# Altium PCB PLCC-RP2350B.PcbDoc
Units mm, origin at the board's own origin, x right, y up, seen from the top; angles counter-clockwise.
Board outline 27.94 x 27.94 mm, 4 copper layers (Top Layer, Layer 1, Layer 2, Bottom Layer), stack 0.603 mm thick; 58 components, 74 nets, 288 pads, 93 vias.
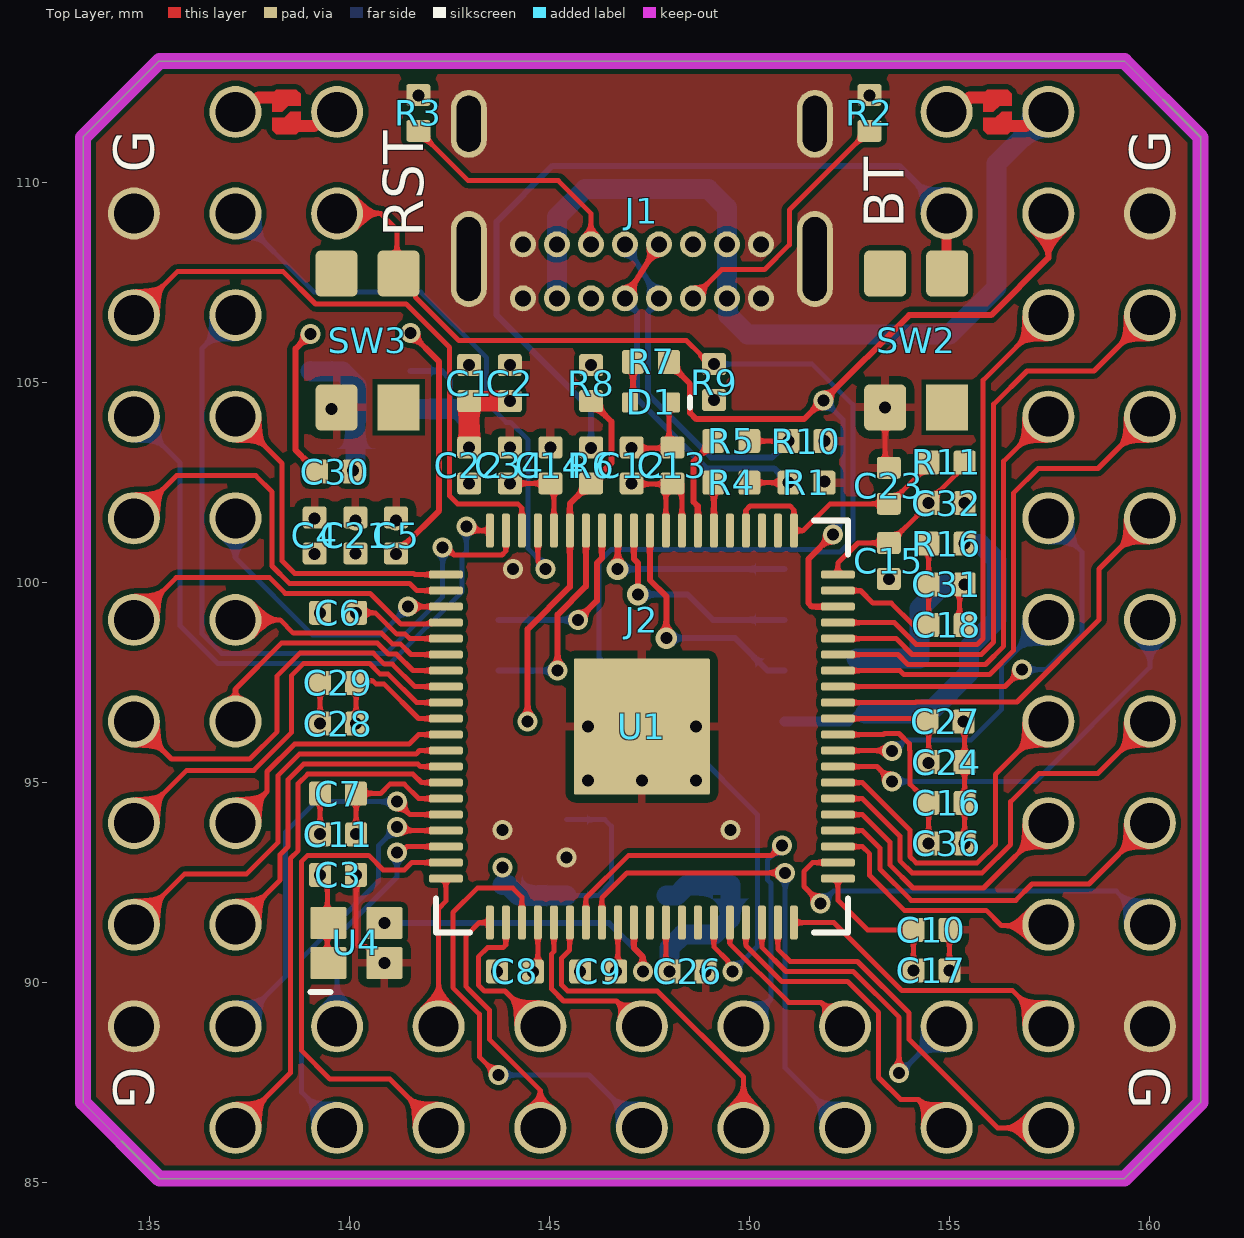
[diagram p0: Top Layer view]
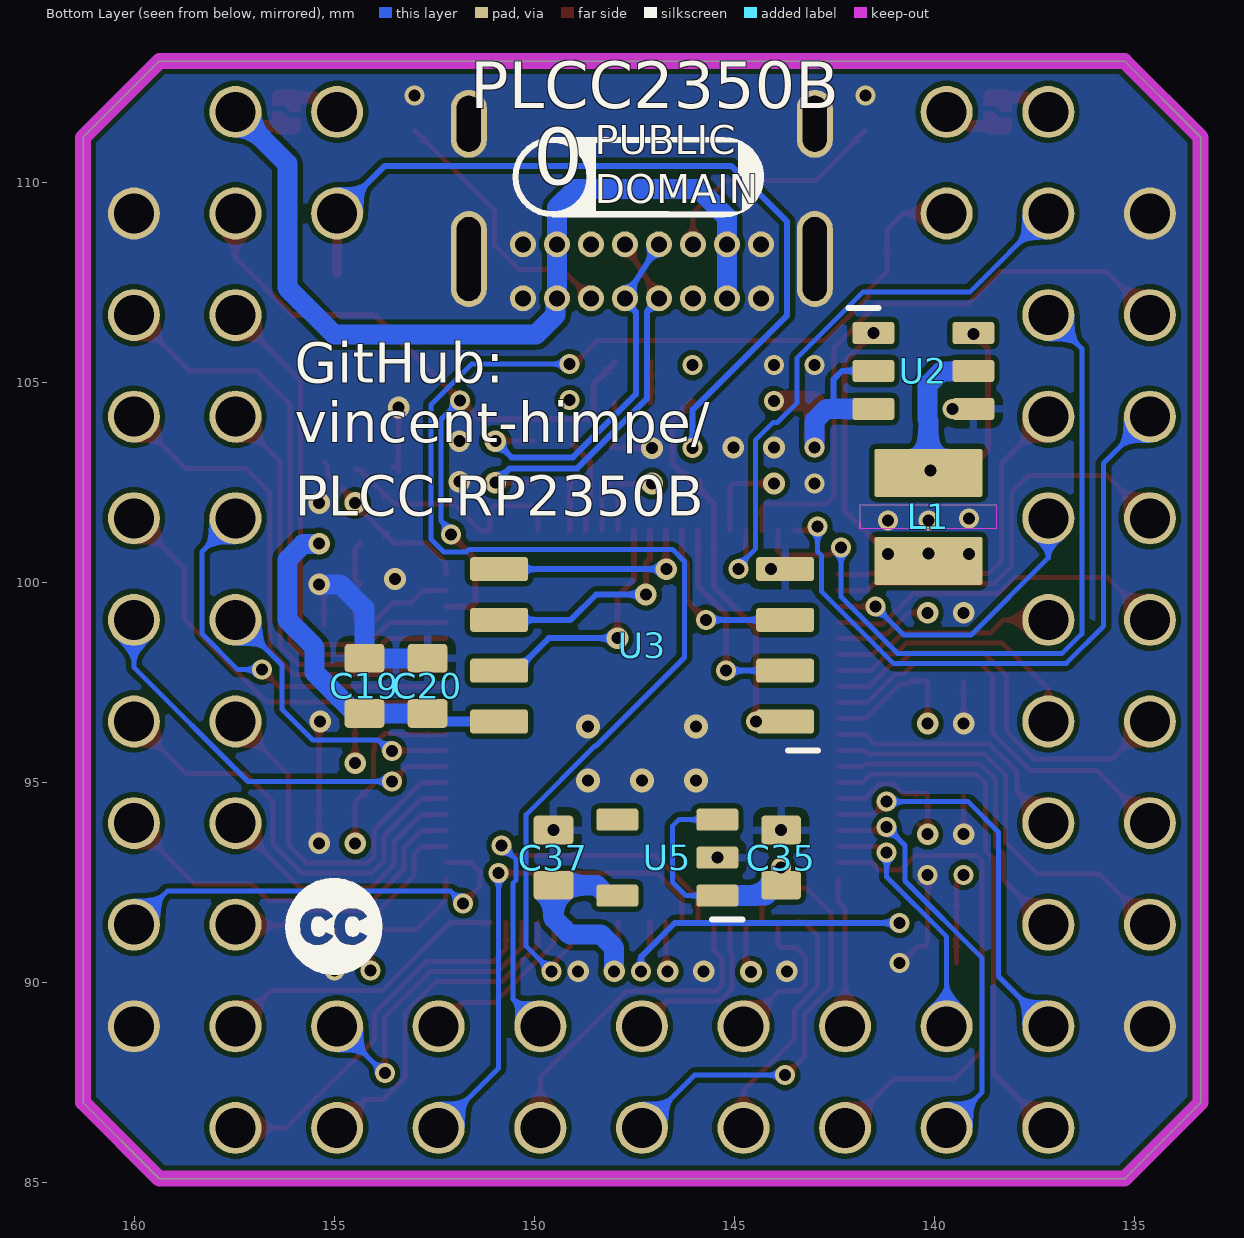
[diagram p1: Bottom Layer view, seen from below]
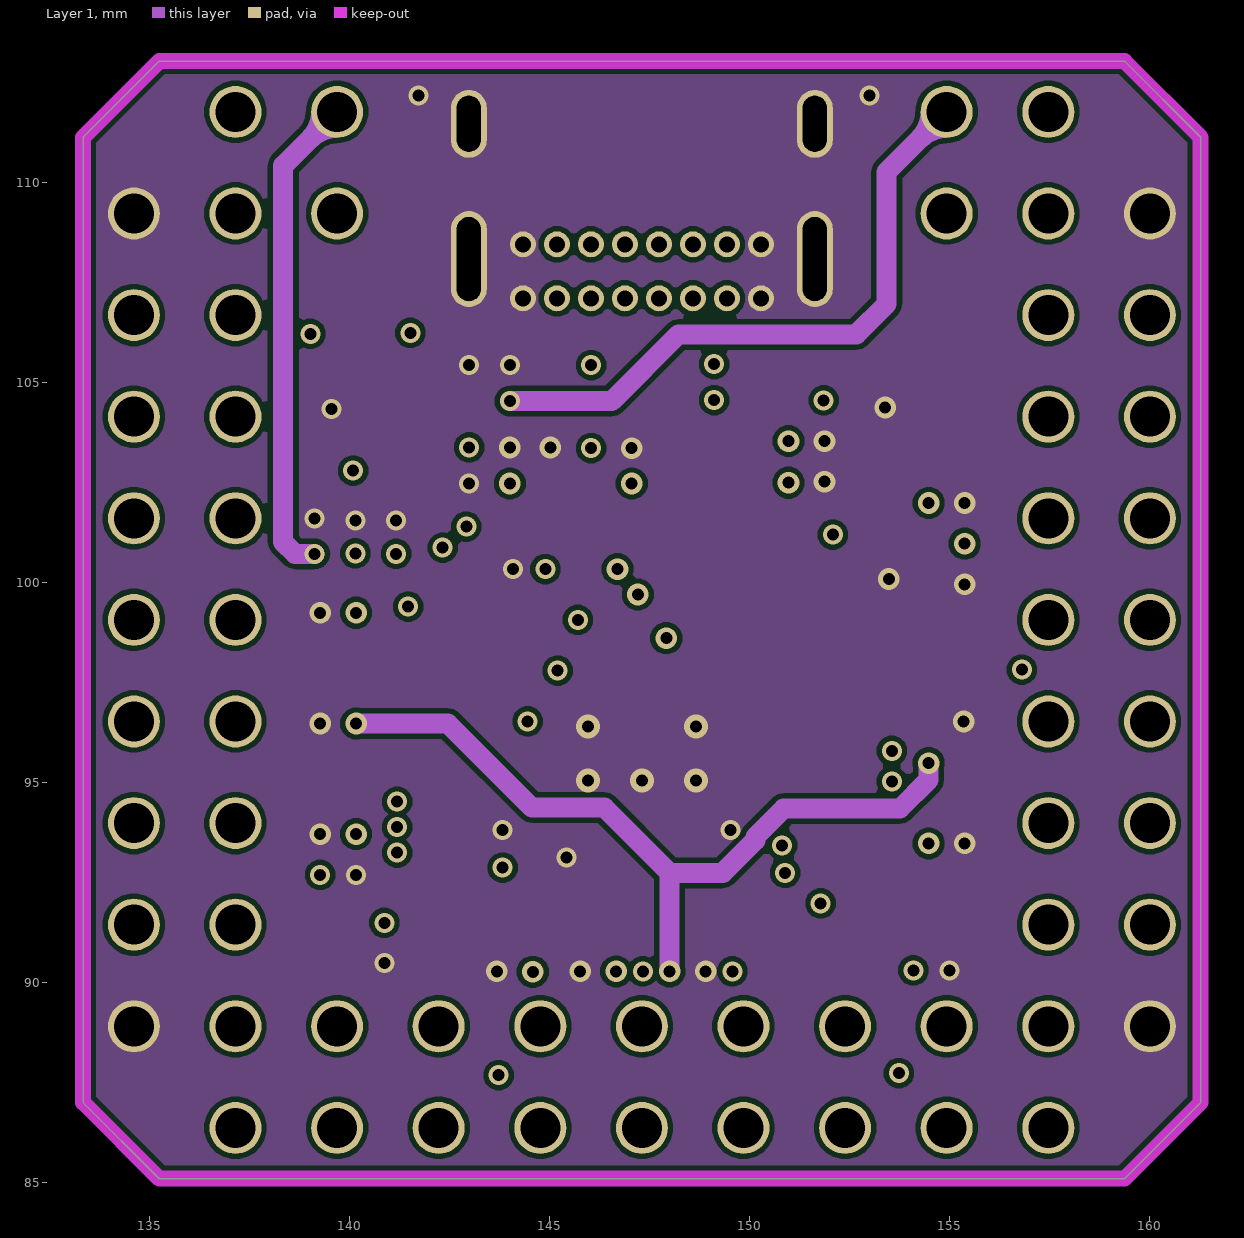
[diagram p2: Layer 1]
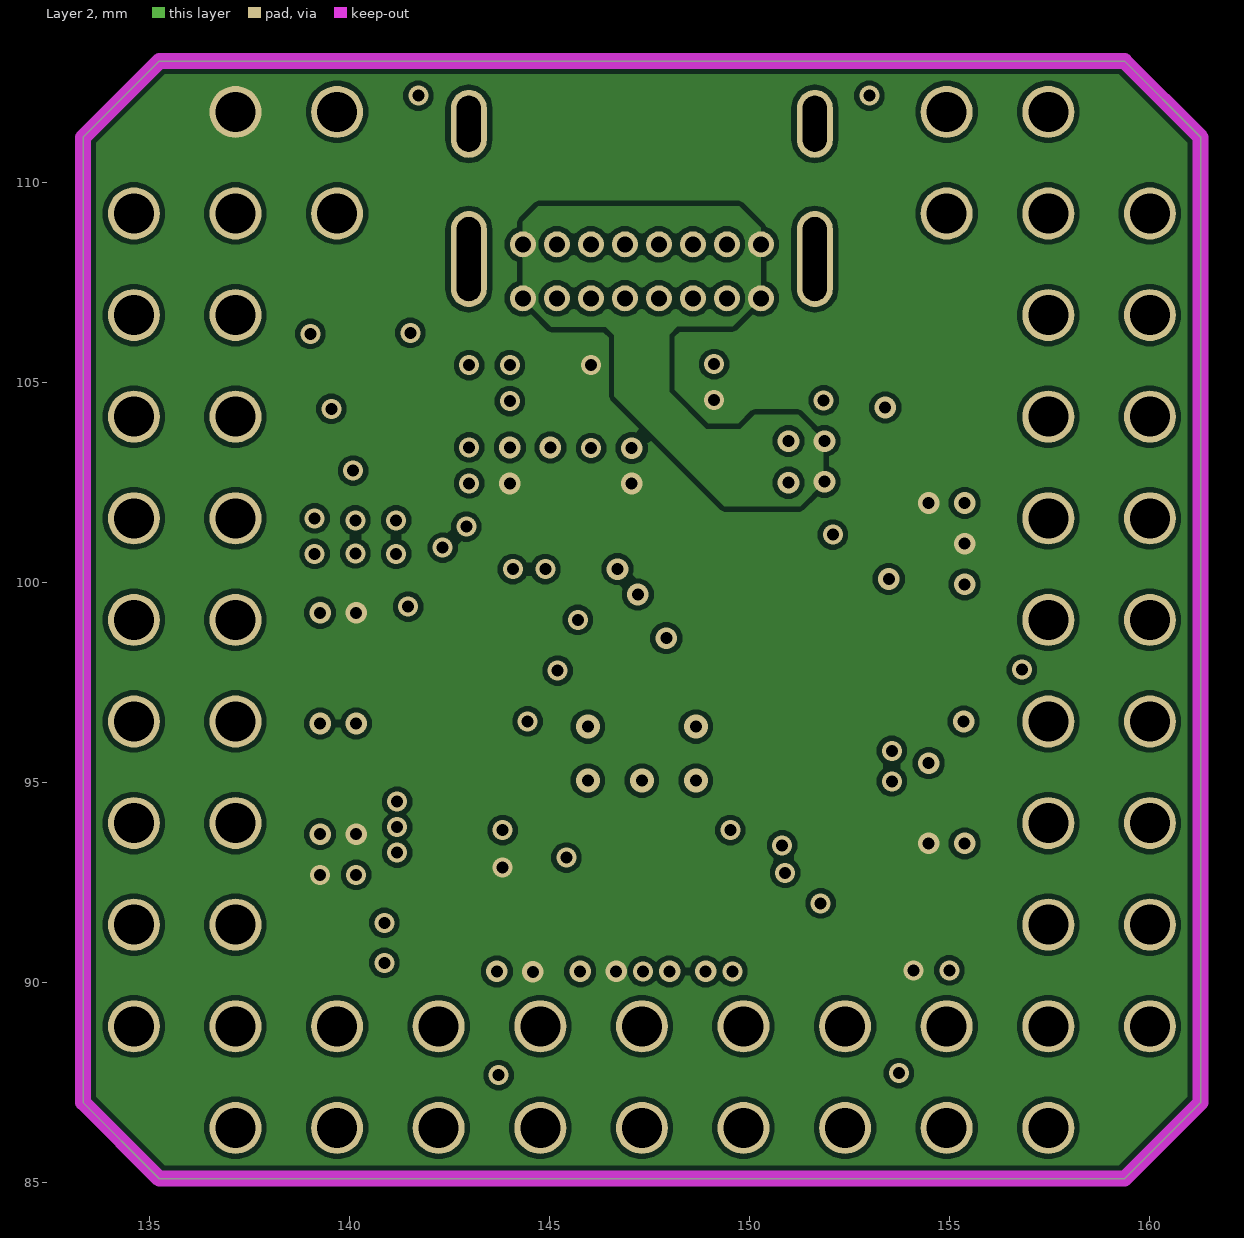
[diagram p3: Layer 2]
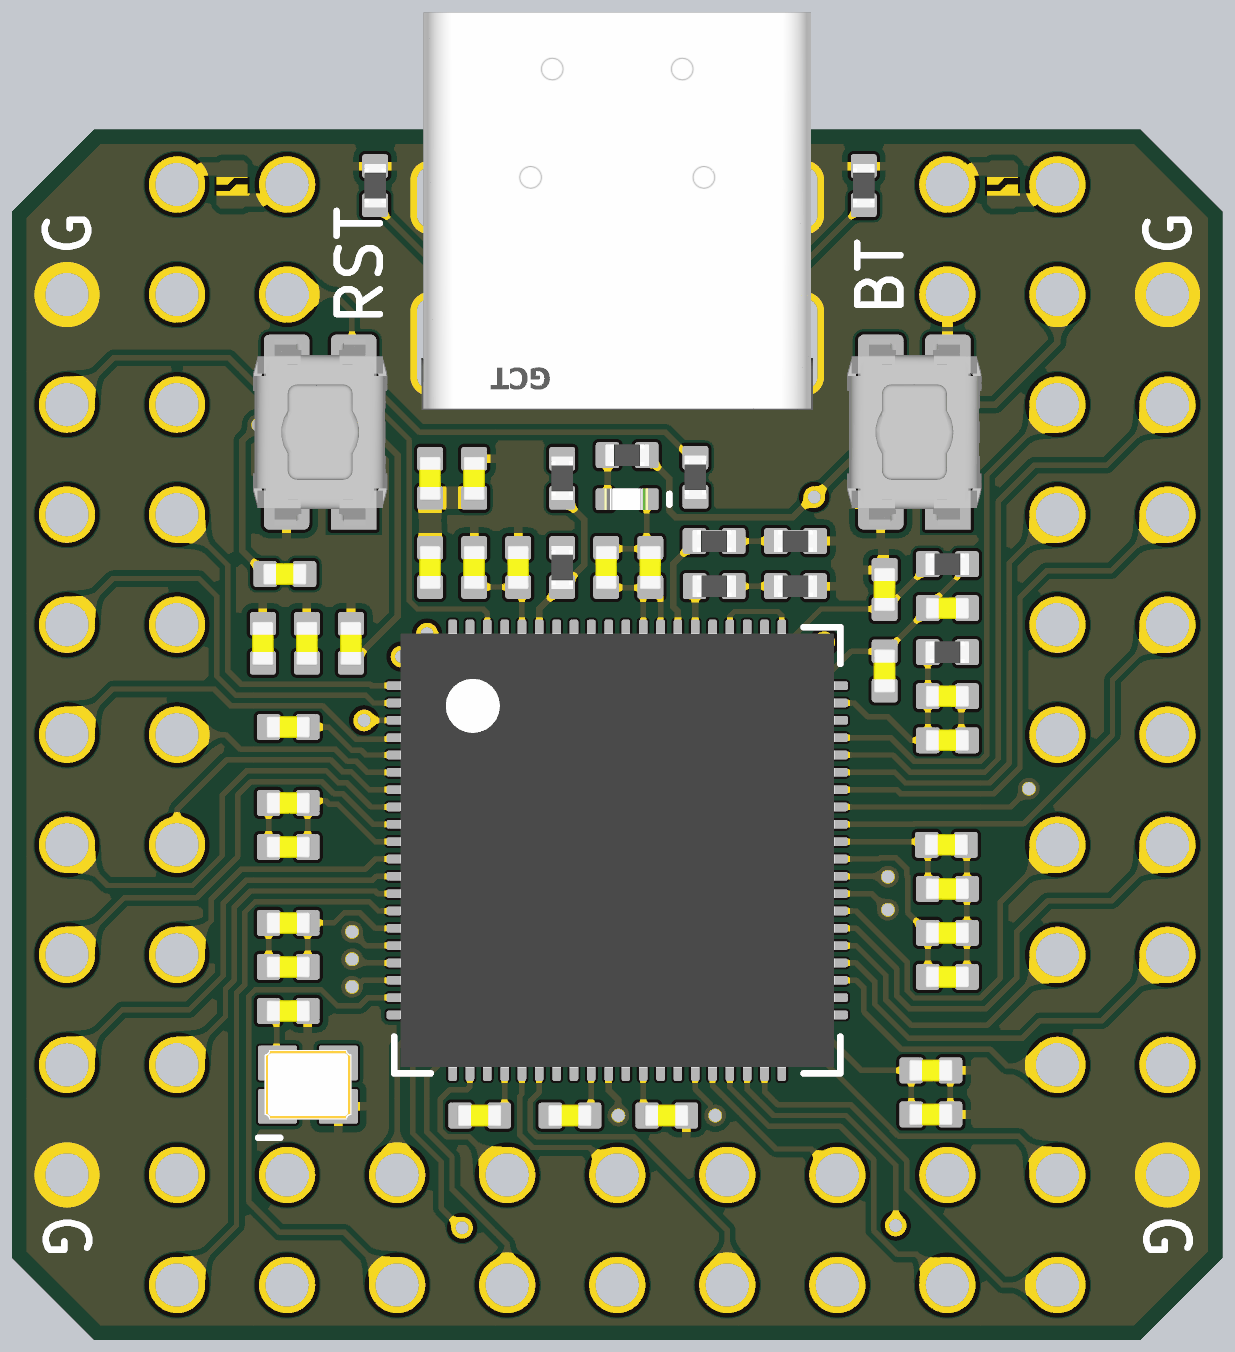
[diagram p4: 3D render of the assembled board from above, using the file's embedded part models]
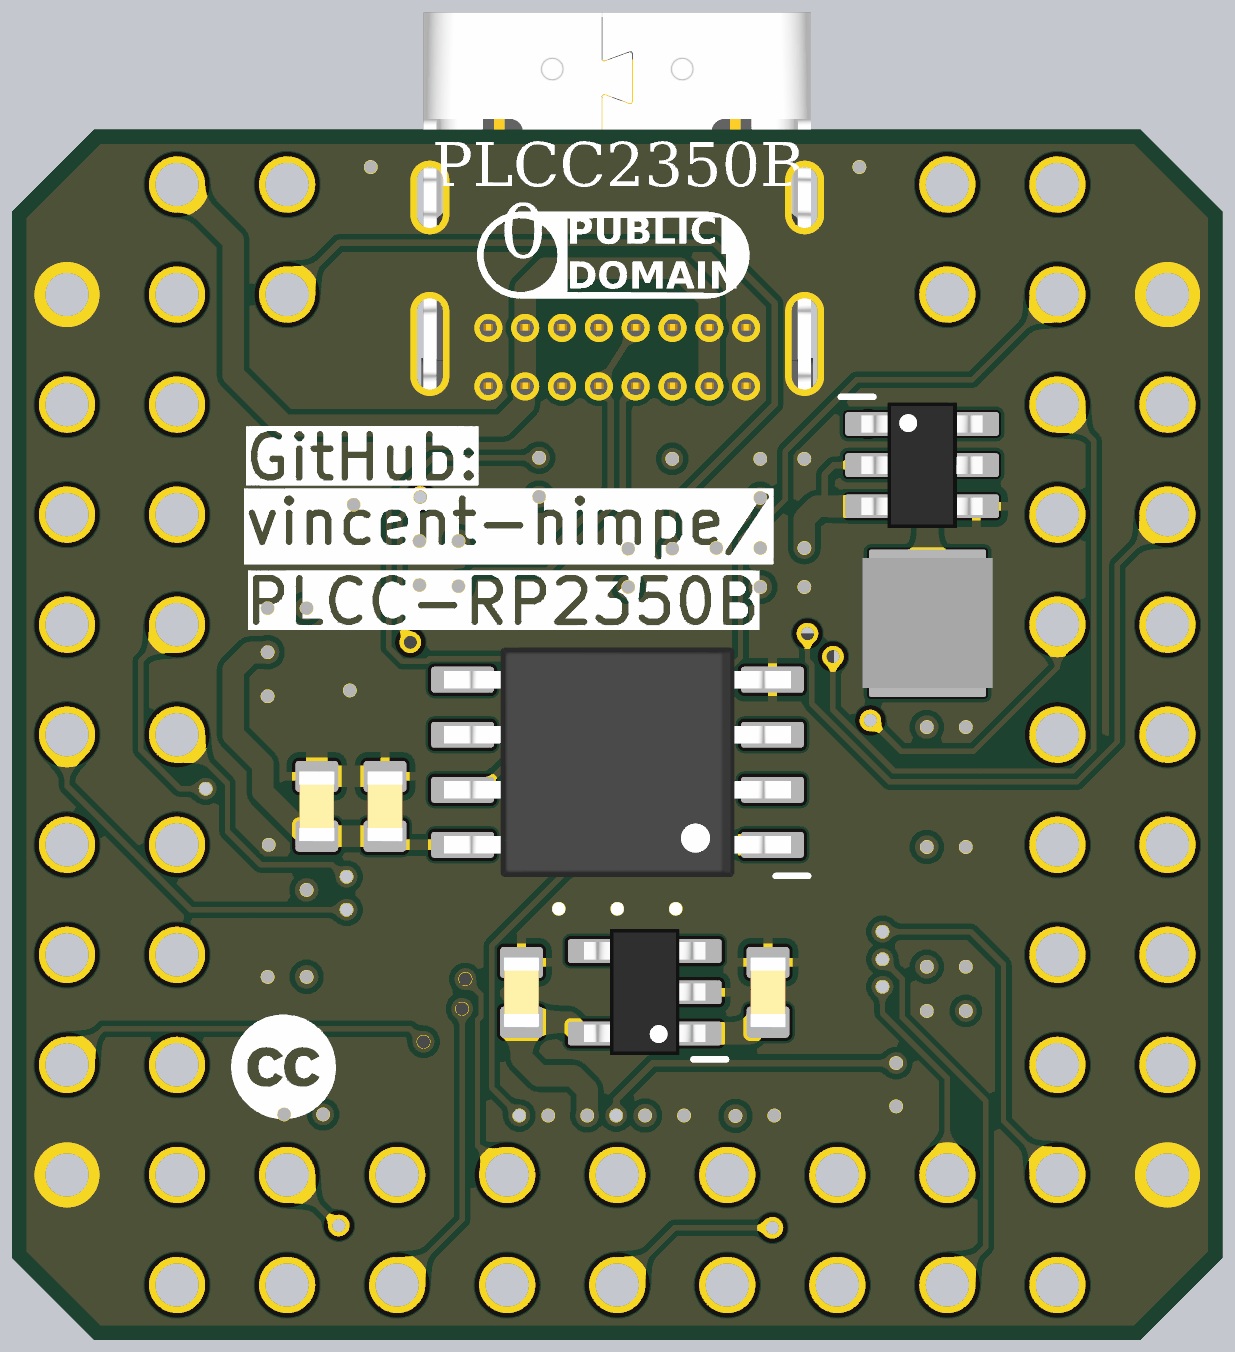
[diagram p5: 3D render of the assembled board from below, using the file's embedded part models]

## Layer stack, top to bottom
Top Solder: solder mask 0.0102, Solder Resist, Dk 3.5
Top Layer: signal copper 0.0356
Dielectric 2: prepreg 0.0711, PP-006, Dk 4.1
Layer 1: signal copper 0.035
Dielectric 1: dielectric 0.32, FR-4, Dk 4.8
Layer 2: signal copper 0.035
Dielectric 3: prepreg 0.0711, PP-006, Dk 4.1
Bottom Layer: signal copper 0.0356
Bottom Solder: solder mask 0.0102, Solder Resist, Dk 3.5

## Board outline
133.35,86.995 135.255,85.09 159.385,85.09 161.29,86.995 161.29,111.125 159.385,113.03 135.255,113.03 133.35,111.125

## Design rules (kind name [scope] priority, off if disabled: settings)
Clearance [All] p1: gap=0.125 ignorepadtopadclearanceinfootprint=FALSE
ComponentClearance [All] p1: gap=0.01 collisioncheckmode=3 verticalgap=0.254 showdistances=FALSE checkcomponentboundary=TRUE
Length "Schematic Length Constraint" [InNetClass('QSPI')] p1: maxlimit=2540 minlimit=0 usedelayunits=TRUE mindelay=0.000000 maxdelay=500.000000
MatchedLengths "Schematic Matched Net Lengths" [InNetClass('QSPI')] p1: tolerance=2 checknetsindiffpair=FALSE checkdiffpairvsdiffpair=TRUE checkxsignals=TRUE checkothers=TRUE usedelayunits=TRUE delaytolerance=50.000000
PolygonConnect [All] p1: thpad.connectstyle=Direct thpad.reliefconductorwidth=0.254 thpad.reliefentries=4 thpad.polygonreliefangle="90 Angle" thpad.airgapwidth=0.254 smdpad.connectstyle=Relief smdpad.reliefconductorwidth=0.2 smdpad.reliefentries=4 smdpad.polygonreliefangle="90 Angle" smdpad.airgapwidth=0.2 via.connectstyle=Direct via.reliefconductorwidth=0.254 via.reliefentries=4 via.polygonreliefangle="90 Angle" via.airgapwidth=0.254
RoutingVias [All] p1: holewidth=0.3 width=0.5 viastyle="Through Hole" minholewidth=0.3 minwidth=0.45 maxholewidth=0.8 maxwidth=1
SilkToSilkClearance [All] p1: silktosilkclearance=0.15
SolderMaskExpansion [All] p1: expansion=0.102 istentingtop=FALSE
SupplyNets "Schematic Supply Nets_1" [InNet('VSYS')] p1: voltage=0.000
SupplyNets "Schematic Supply Nets_8" [InNet('P3V3OUT')] p2: voltage=0.000
SupplyNets "Schematic Supply Nets_7" [InNet('GND')] p3: voltage=0.000
SupplyNets "Schematic Supply Nets_6" [InNet('RST')] p4: voltage=0.000
SupplyNets "Schematic Supply Nets_4" [InNet('VBUS')] p5: voltage=0.000
SupplyNets "Schematic Supply Nets_3" [InNet('P3V3')] p6: voltage=0.000
SupplyNets "Schematic Supply Nets" [InNet('BOOT')] p7: voltage=0.000
Width [All] p1: maxlimit=2 minlimit=0.125 preferedwidth=0.15
28 further rules are at their usual default settings.

## Classes and differential pairs
net class QSPI: QCLK QSD0 QSD1 QSD2 QSD3 QSS

## Components (designator, comment, footprint, x,y, rotation, side; value= is the part's Value field where it differs from the comment)
C1 "CAP0402" CAPC0402 143.002,104.978 r90 top
C2 "CAP0402" CAPC0402 144.018,104.978 r90 top
C3 "CAP0402" CAPC0402 139.725,92.685 r0 top
C4 "CAP0402" CAPC0402 139.141,101.171 r90 top locked
C5 "CAP0402" CAPC0402 141.173,101.171 r90 top locked
C6 "CAP0402" CAPC0402 139.725,99.238 r180 top
C7 "CAP0402" CAPC0402 139.725,94.717 r180 top
C8 "CAP0402" CAPC0402 144.145,90.272 r180 top
C9 "CAP0402" CAPC0402 146.228,90.272 r180 top
C10 "CAP0402" CAPC0402 154.559,91.313 r0 top
C11 "CAP0402" CAPC0402 139.725,93.701 r180 top
C12 "CAP0402" CAPC0402 147.066,102.921 r90 top
C13 "CAP0402" CAPC0402 148.082,102.921 r90 top
C14 "CAP0402" CAPC0402 145.034,102.921 r90 top
C15 "CAP0402" CAPC0402 153.492,100.533 r270 top locked
C16 "CAP0402" CAPC0402 154.94,94.488 r0 top
C17 "CAP0402" CAPC0402 154.559,90.297 r0 top
C18 "CAP0402" CAPC0402 154.94,98.933 r0 top locked
C19 "CAP0603" CAPC0603 154.254,97.409 r90 bottom
C20 "CAP0603" CAPC0603 152.679,97.409 r90 bottom
C21 "CAP0402" CAPC0402 140.157,101.171 r90 top locked
C22 "CAP0402" CAPC0402 143.002,102.921 r270 top
C23 "CAP0402" CAPC0402 153.492,102.413 r90 top locked
C24 "CAP0402" CAPC0402 154.94,95.504 r0 top
C26 "CAP0402" CAPC0402 148.463,90.272 r0 top
C27 "CAP0402" CAPC0402 154.915,96.52 r0 top
C28 "CAP0402" CAPC0402 139.725,96.469 r180 top
C29 "CAP0402" CAPC0402 139.725,97.485 r180 top locked
C30 "CAP0402" CAPC0402 139.649,102.768 r180 top
C31 "CAP0402" CAPC0402 154.94,99.949 r0 top locked
C32 "CAP0402" CAPC0402 154.94,101.981 r0 top locked
C34 "CAP0402" CAPC0402 144.018,102.921 r90 top
C35 "CAP0603" CAPC0603 143.84,93.116 r90 bottom
C36 "CAP0402" CAPC0402 154.94,93.472 r0 top
C37 "CAP0603" CAPC0603 149.53,93.116 r90 bottom
D1 "LED-0402-BLUE" LED-0402-BLUE 147.549,104.496 r180 top
J1 "CONN-USBC-USB2-HOR" CONN-GCT-USB4085 147.32,111.125 r180 top locked
J2 "PLCC2350B" PLCC2350B 147.32,99.06 r0 top locked
L1 "4.7uH" IND-ABRACON-ASPI-3012S-3R9N-T 140.157,101.635 r270 bottom locked value=4u7H
R1 "RESC0402" RESC0402 151.435,102.489 r0 top locked value=27R
R2 "RESC0402" RESC0402 153.01,111.735 r90 top value=5K1
R3 "RESC0402" RESC0402 141.732,111.735 r90 top value=5K1
R4 "RESC0402" RESC0402 149.558,102.489 r180 top value=27R
R5 "RESC0402" RESC0402 149.555,103.53 r180 top locked value=27R
R6 "RESC0402" RESC0402 146.05,102.921 r270 top value=1K
R7 "RESC0402" RESC0402 147.549,105.512 r180 top value=1K
R8 "RESC0402" RESC0402 146.05,104.978 r90 top value=10K
R9 "RESC0402" RESC0402 149.123,105.004 r270 top value=10K
R10 "RESC0402" RESC0402 151.435,103.53 r0 top locked value=27R
R11 "RESC0402" RESC0402 154.94,102.997 r180 top locked value=33R
R16 "RESC0402" RESC0402 154.94,100.965 r0 top locked value=33R
SW2 "SWITCH-PANASONIC-EVP-AA202K" SWITCH-PANASONIC-EVP-AA202K 154.178,106.045 r90 top locked
SW3 "SWITCH-PANASONIC-EVP-AA202K" SWITCH-PANASONIC-EVP-AA202K 140.462,106.045 r90 top locked
U1 "IC-RP2350-DIP64" QFN40P1000X1000X90_HS-81N 147.32,96.393 r0 top locked
U2 "AP63203Q" SOT23-6 140.284,105.283 r180 bottom
U3 "W25Q128JVSIQ" SO127P790-8N 147.314,98.425 r0 bottom locked
U4 "XTAL-OSC" XOSC-SCTF-SX1M12.000M10F30TNN 140.183,90.983 r0 top
U5 "IC-TI-TLV74311" SOT23-5 146.685,93.116 r0 bottom
